# Altium PCB Slave.PcbDoc (part 4 of 12)
Units mm, origin at the board's own origin, x right, y up, seen from the top; angles counter-clockwise.
Board outline 380 x 63 mm, 4 copper layers (Top Copper, Signal Layer 1, Signal Layer 2, Bottom Copper), stack 1.586 mm thick; 265 components, 193 nets, 745 pads, 28205 vias.
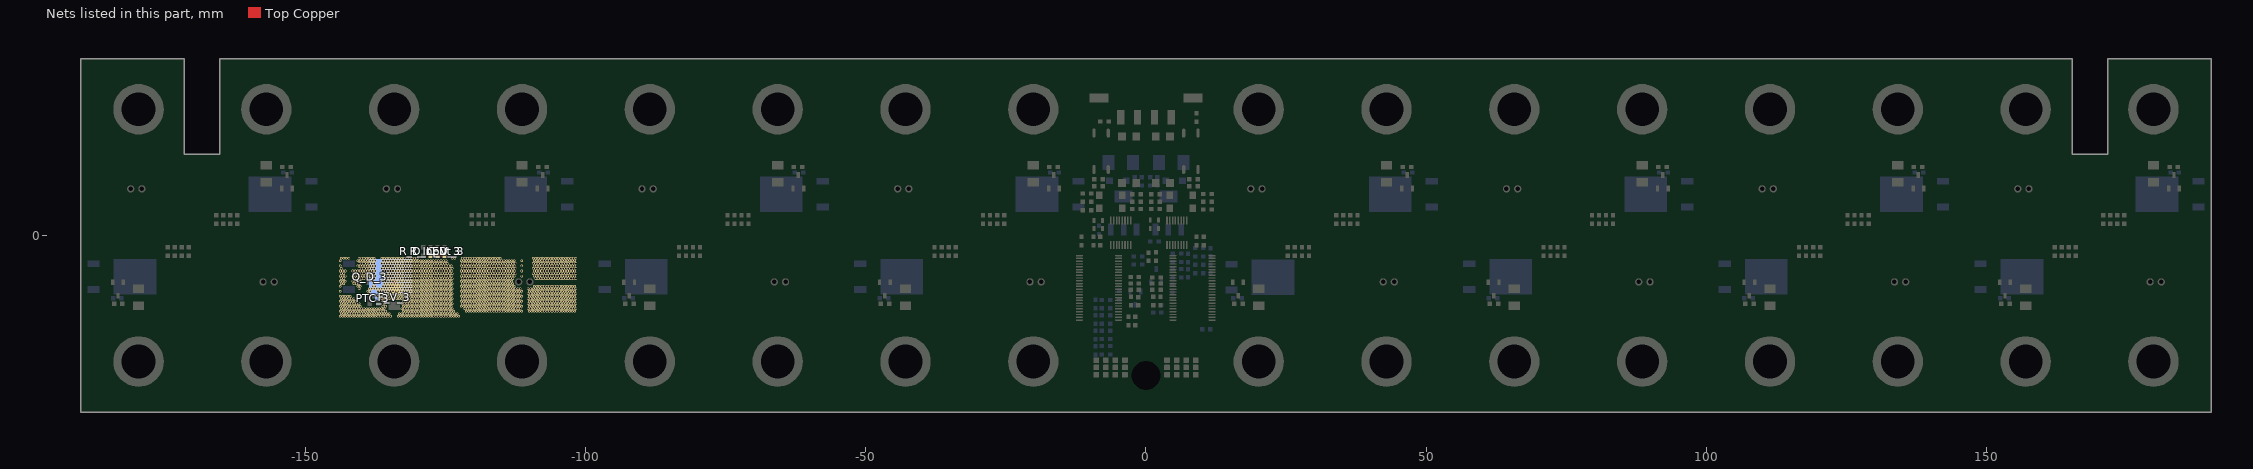
[diagram p6: the nets of this part, all layers, seen from the top]

## Via types
v1: diameter 0.45, hole 0.297, Top Copper to Bottom Copper, tented both sides, 27372 vias
v2: diameter 1, hole 0.7, Top Copper to Bottom Copper, 576 vias
v3: diameter 0.45, hole 0.2, Top Copper to Bottom Copper, 257 vias

## Nets (pads, with @x,y where several pads share a name; then routed paths per layer and width w, separated by ;. In a path a pad name is that pad's centre, name@x,y a point inside that pad or via, vN(x,y) a via of type N, cw(c..) or ccw(c..) an arc to the next point about the centre after c; other vN are vias at no path point) (continued)
F_3: C_V_3.2 F_V_3.2 PTC_3.2 Q_D_3.2 R_D_LED_3.2 R_Input_3.1 | length 3.9
  Top Copper w0.254: R_D_LED_3.2@-127.65,-3.6 R_Input_3.1@-126.4,-3.6 C_V_3.2@-125.15,-3.6
  Top Copper w0.305: F_V_3.2@-134.125,-9.48 v1@-134.125,-8.1
  other v1: -143.75,-14.45 -143.3,-14.45 -142.85,-14.45 -142.4,-14.45 -141.95,-14.45 -141.5,-14.45 -141.05,-14.45 -140.6,-14.45 -140.15,-14.45 -139.7,-14.45 -139.25,-14.45 -138.8,-14.45 -138.35,-14.45 -137.9,-14.45 -137.45,-14.45 -137,-14.45 -136.55,-14.45 -136.1,-14.45 -135.65,-14.45 -135.2,-14.45 -134.75,-14.45 -133.4,-14.45 -132.95,-14.45 -132.5,-14.45 -132.05,-14.45 -131.6,-14.45 -131.15,-14.45 -130.7,-14.45 -130.25,-14.45 -129.8,-14.45 -129.35,-14.45 -128.9,-14.45 -128.45,-14.45 -128,-14.45 -127.55,-14.45 -127.1,-14.45 -126.65,-14.45 -126.2,-14.45 -125.75,-14.45 -125.3,-14.45 -124.85,-14.45 -124.4,-14.45 -123.95,-14.45 -123.5,-14.45 -123.05,-14.45 -122.6,-14.45 -143.525,-14 -143.075,-14 -142.625,-14 -142.175,-14 -141.725,-14 -141.275,-14 -140.825,-14 -140.375,-14 -139.925,-14 -139.475,-14 -139.025,-14 -138.575,-14 -138.125,-14 -137.675,-14 -137.225,-14 -136.775,-14 -136.325,-14 -135.875,-14 -135.425,-14 -134.975,-14 -133.175,-14 -132.725,-14 -132.275,-14 -131.825,-14 -131.375,-14 -130.925,-14 -130.475,-14 -130.025,-14 -129.575,-14 -129.125,-14 -128.675,-14 -128.225,-14 -127.775,-14 -127.325,-14 -126.875,-14 -126.425,-14 -125.975,-14 -125.525,-14 -125.075,-14 -124.625,-14 -124.175,-14 -123.725,-14 -123.275,-14 -122.825,-14 -143.75,-13.55 -143.3,-13.55 -142.85,-13.55 -142.4,-13.55 -141.95,-13.55 -141.5,-13.55 -141.05,-13.55 -140.6,-13.55 -140.15,-13.55 -139.7,-13.55 -139.25,-13.55 -138.8,-13.55 -138.35,-13.55 -137.9,-13.55 -137.45,-13.55 -137,-13.55 -136.55,-13.55 -136.1,-13.55 -135.65,-13.55 -132.5,-13.55 -132.05,-13.55 -131.6,-13.55 -131.15,-13.55 -130.7,-13.55 -130.25,-13.55 -129.8,-13.55 -129.35,-13.55 -128.9,-13.55 -128.45,-13.55 -128,-13.55 -127.55,-13.55 -127.1,-13.55 -126.65,-13.55 -126.2,-13.55 -125.75,-13.55 -125.3,-13.55 -124.85,-13.55 -124.4,-13.55 -123.95,-13.55 -123.5,-13.55 -121.25,-13.55 -120.8,-13.55 -120.35,-13.55 -119.9,-13.55 -119.45,-13.55 -119,-13.55 -118.55,-13.55 -118.1,-13.55 -117.65,-13.55 -117.2,-13.55 -116.75,-13.55 -116.3,-13.55 -115.85,-13.55 -115.4,-13.55 -114.95,-13.55 -114.5,-13.55 -114.05,-13.55 -113.6,-13.55 -113.15,-13.55 -112.7,-13.55 -112.25,-13.55 -111.8,-13.55 -111.35,-13.55 -110,-13.55 -109.55,-13.55 -109.1,-13.55 -108.65,-13.55 -108.2,-13.55 -107.75,-13.55 -107.3,-13.55 -106.85,-13.55 -106.4,-13.55 -105.95,-13.55 -105.5,-13.55 -105.05,-13.55 -104.6,-13.55 -104.15,-13.55 -103.7,-13.55 -103.25,-13.55 -102.8,-13.55 -102.35,-13.55 -101.9,-13.55 -143.525,-13.1 -143.075,-13.1 -142.625,-13.1 -142.175,-13.1 -141.725,-13.1 -141.275,-13.1 -140.825,-13.1 -140.375,-13.1 -139.925,-13.1 -139.475,-13.1 -139.025,-13.1 -138.575,-13.1 -138.125,-13.1 -137.675,-13.1 -137.225,-13.1 -136.775,-13.1 -136.325,-13.1 -135.875,-13.1 -132.725,-13.1 -132.275,-13.1 -131.825,-13.1 -131.375,-13.1 -130.925,-13.1 -130.475,-13.1 -130.025,-13.1 -129.575,-13.1 -129.125,-13.1 -128.675,-13.1 -128.225,-13.1 -127.775,-13.1 -127.325,-13.1 -126.875,-13.1 -126.425,-13.1 -125.975,-13.1 -125.525,-13.1 -125.075,-13.1 -124.625,-13.1 -124.175,-13.1 -123.725,-13.1 -121.475,-13.1 -121.025,-13.1 -120.575,-13.1 -120.125,-13.1 -119.675,-13.1 -119.225,-13.1 -118.775,-13.1 -118.325,-13.1 -117.875,-13.1 -117.425,-13.1 -116.975,-13.1 -116.525,-13.1 -116.075,-13.1 -115.625,-13.1 -115.175,-13.1 -114.725,-13.1 -114.275,-13.1 -113.825,-13.1 -113.375,-13.1 -112.925,-13.1 -112.475,-13.1 -112.025,-13.1 -111.575,-13.1 -110.225,-13.1 -109.775,-13.1 -109.325,-13.1 -108.875,-13.1 -108.425,-13.1 -107.975,-13.1 -107.525,-13.1 -107.075,-13.1 -106.625,-13.1 -106.175,-13.1 -105.725,-13.1 -105.275,-13.1 -104.825,-13.1 -104.375,-13.1 -103.925,-13.1 -103.475,-13.1 -103.025,-13.1 -102.575,-13.1 -102.125,-13.1 -101.675,-13.1 -143.75,-12.65 -143.3,-12.65 -142.85,-12.65 -142.4,-12.65 -141.95,-12.65 -141.5,-12.65 -141.05,-12.65 -140.6,-12.65 -140.15,-12.65 -136.1,-12.65 -135.65,-12.65 -132.5,-12.65 -132.05,-12.65 -131.6,-12.65 -131.15,-12.65 -130.7,-12.65 -130.25,-12.65 -129.8,-12.65 -129.35,-12.65 -128.9,-12.65 -128.45,-12.65 -128,-12.65 -127.55,-12.65 -127.1,-12.65 -126.65,-12.65 -126.2,-12.65 -125.75,-12.65 -125.3,-12.65 -124.85,-12.65 -124.4,-12.65 -123.95,-12.65 -122.15,-12.65 -121.7,-12.65 -121.25,-12.65 -120.8,-12.65 -120.35,-12.65 -119.9,-12.65 -119.45,-12.65 -119,-12.65 -118.55,-12.65 -118.1,-12.65 -117.65,-12.65 -117.2,-12.65 -116.75,-12.65 -116.3,-12.65 -115.85,-12.65 -115.4,-12.65 -114.95,-12.65 -114.5,-12.65 -114.05,-12.65 -113.6,-12.65 -113.15,-12.65 -112.7,-12.65 -112.25,-12.65 -111.8,-12.65 -111.35,-12.65 -110,-12.65 -109.55,-12.65 -109.1,-12.65 -108.65,-12.65 -108.2,-12.65 -107.75,-12.65 -107.3,-12.65 -106.85,-12.65 -106.4,-12.65 -105.95,-12.65 -105.5,-12.65 -105.05,-12.65 -104.6,-12.65 -104.15,-12.65 -103.7,-12.65 -103.25,-12.65 -102.8,-12.65 -102.35,-12.65 -101.9,-12.65 -143.525,-12.2 -143.075,-12.2 -142.625,-12.2 -142.175,-12.2 -141.725,-12.2 -141.275,-12.2 -140.825,-12.2 -140.375,-12.2 -135.875,-12.2 -132.725,-12.2 -132.275,-12.2 -131.825,-12.2 -131.375,-12.2 -130.925,-12.2 -130.475,-12.2 -130.025,-12.2 -129.575,-12.2 -129.125,-12.2 -128.675,-12.2 -128.225,-12.2 -127.775,-12.2 -127.325,-12.2 -126.875,-12.2 -126.425,-12.2 -125.975,-12.2 -125.525,-12.2 -125.075,-12.2 -124.625,-12.2 -124.175,-12.2 -123.725,-12.2 -121.925,-12.2 -121.475,-12.2 -121.025,-12.2 -120.575,-12.2 -120.125,-12.2 -119.675,-12.2 -119.225,-12.2 -118.775,-12.2 -118.325,-12.2 -117.875,-12.2 -117.425,-12.2 -116.975,-12.2 -116.525,-12.2 -116.075,-12.2 -115.625,-12.2 -115.175,-12.2 -114.725,-12.2 -114.275,-12.2 -113.825,-12.2 -113.375,-12.2 -112.925,-12.2 -112.475,-12.2 -112.025,-12.2 -111.575,-12.2 -110.225,-12.2 -109.775,-12.2 -109.325,-12.2 -108.875,-12.2 -108.425,-12.2 -107.975,-12.2 -107.525,-12.2 -107.075,-12.2 -106.625,-12.2 -106.175,-12.2 -105.725,-12.2 -105.275,-12.2 -104.825,-12.2 -104.375,-12.2 -103.925,-12.2 -103.475,-12.2 -103.025,-12.2 -102.575,-12.2 -102.125,-12.2 -101.675,-12.2 -143.75,-11.75 -143.3,-11.75 -142.85,-11.75 -142.4,-11.75 -141.95,-11.75 -141.5,-11.75 -141.05,-11.75 -136.1,-11.75 -135.65,-11.75 -132.5,-11.75 -132.05,-11.75 -131.6,-11.75 -131.15,-11.75 -130.7,-11.75 -130.25,-11.75 -129.8,-11.75 -129.35,-11.75 -128.9,-11.75 -128.45,-11.75 -128,-11.75 -127.55,-11.75 -127.1,-11.75 -126.65,-11.75 -126.2,-11.75 -125.75,-11.75 -125.3,-11.75 -124.85,-11.75 -124.4,-11.75 -123.95,-11.75 -122.15,-11.75 -121.7,-11.75 -121.25,-11.75 -120.8,-11.75 -120.35,-11.75 -119.9,-11.75 -119.45,-11.75 -119,-11.75 -118.55,-11.75 -118.1,-11.75 -117.65,-11.75 -117.2,-11.75 -116.75,-11.75 -116.3,-11.75 -115.85,-11.75 -115.4,-11.75 -114.95,-11.75 -114.5,-11.75 -114.05,-11.75 -113.6,-11.75 -113.15,-11.75 -112.7,-11.75 -112.25,-11.75 -111.8,-11.75 -111.35,-11.75 -110,-11.75 -109.55,-11.75 -109.1,-11.75 -108.65,-11.75 -108.2,-11.75 -107.75,-11.75 -107.3,-11.75 -106.85,-11.75 -106.4,-11.75 -105.95,-11.75 -105.5,-11.75 -105.05,-11.75 -104.6,-11.75 -104.15,-11.75 -103.7,-11.75 -103.25,-11.75 -102.8,-11.75 -102.35,-11.75 -101.9,-11.75 -143.525,-11.3 -143.075,-11.3 -142.625,-11.3 -142.175,-11.3 -141.725,-11.3 -141.275,-11.3 -136.775,-11.3 -136.325,-11.3 -135.875,-11.3 -135.425,-11.3 -134.975,-11.3 -134.525,-11.3 -134.075,-11.3 -133.625,-11.3 -133.175,-11.3 -132.725,-11.3 -132.275,-11.3 -131.825,-11.3 -131.375,-11.3 -130.925,-11.3 -130.475,-11.3 -130.025,-11.3 -129.575,-11.3 -129.125,-11.3 -128.675,-11.3 -128.225,-11.3 -127.775,-11.3 -127.325,-11.3 -126.875,-11.3 -126.425,-11.3 -125.975,-11.3 -125.525,-11.3 -125.075,-11.3 -124.625,-11.3 -124.175,-11.3 -123.725,-11.3 -121.925,-11.3 -121.475,-11.3 -121.025,-11.3 -120.575,-11.3 -120.125,-11.3 -119.675,-11.3 -119.225,-11.3 -118.775,-11.3 -118.325,-11.3 -117.875,-11.3 -117.425,-11.3 -116.975,-11.3 -116.525,-11.3 -116.075,-11.3 -115.625,-11.3 -115.175,-11.3 -114.725,-11.3 -114.275,-11.3 -113.825,-11.3 -113.375,-11.3 -112.925,-11.3 -112.475,-11.3 -112.025,-11.3 -111.575,-11.3 -110.225,-11.3 -109.775,-11.3 -109.325,-11.3 -108.875,-11.3 -108.425,-11.3 -107.975,-11.3 -107.525,-11.3 -107.075,-11.3 -106.625,-11.3 -106.175,-11.3 -105.725,-11.3 -105.275,-11.3 -104.825,-11.3 -104.375,-11.3 -103.925,-11.3 -103.475,-11.3 -103.025,-11.3 -102.575,-11.3 -102.125,-11.3 -101.675,-11.3 -143.75,-10.85 -143.3,-10.85 -142.85,-10.85 -142.4,-10.85 -141.95,-10.85 -137,-10.85 -136.55,-10.85 -136.1,-10.85 -135.65,-10.85 -135.2,-10.85 -134.75,-10.85 -134.3,-10.85 -133.85,-10.85 -133.4,-10.85 -132.95,-10.85 -132.5,-10.85 -132.05,-10.85 -131.6,-10.85 -131.15,-10.85 -130.7,-10.85 -130.25,-10.85 -129.8,-10.85 -129.35,-10.85 -128.9,-10.85 -128.45,-10.85 -128,-10.85 -127.55,-10.85 -127.1,-10.85 -126.65,-10.85 -126.2,-10.85 -125.75,-10.85 -125.3,-10.85 -124.85,-10.85 -124.4,-10.85 -123.95,-10.85 -122.15,-10.85 -121.7,-10.85 -121.25,-10.85 -120.8,-10.85 -120.35,-10.85 -119.9,-10.85 -119.45,-10.85 -119,-10.85 -118.55,-10.85 -118.1,-10.85 -117.65,-10.85 -117.2,-10.85 -116.75,-10.85 -116.3,-10.85 -115.85,-10.85 -115.4,-10.85 -114.95,-10.85 -114.5,-10.85 -114.05,-10.85 -113.6,-10.85 -113.15,-10.85 -112.7,-10.85 -112.25,-10.85 -111.8,-10.85 -111.35,-10.85 -110,-10.85 -109.55,-10.85 -109.1,-10.85 -108.65,-10.85 -108.2,-10.85 -107.75,-10.85 -107.3,-10.85 -106.85,-10.85 -106.4,-10.85 -105.95,-10.85 -105.5,-10.85 -105.05,-10.85 -104.6,-10.85 -104.15,-10.85 -103.7,-10.85 -103.25,-10.85 -102.8,-10.85 -102.35,-10.85 -101.9,-10.85 -138.575,-10.4 -136.775,-10.4 -136.325,-10.4 -135.875,-10.4 -135.425,-10.4 -134.975,-10.4 -134.525,-10.4 -134.075,-10.4 -133.625,-10.4 -133.175,-10.4 -132.725,-10.4 -132.275,-10.4 -131.825,-10.4 -131.375,-10.4 -130.925,-10.4 -130.475,-10.4 -130.025,-10.4 -129.575,-10.4 -129.125,-10.4 -128.675,-10.4 -128.225,-10.4 -127.775,-10.4 -127.325,-10.4 -126.875,-10.4 -126.425,-10.4 -125.975,-10.4 -125.525,-10.4 -125.075,-10.4 -124.625,-10.4 -124.175,-10.4 -123.725,-10.4 -121.925,-10.4 -121.475,-10.4 -121.025,-10.4 -120.575,-10.4 -120.125,-10.4 -119.675,-10.4 -119.225,-10.4 -118.775,-10.4 -118.325,-10.4 -117.875,-10.4 -117.425,-10.4 -116.975,-10.4 -116.525,-10.4 -116.075,-10.4 -115.625,-10.4 -115.175,-10.4 -114.725,-10.4 -114.275,-10.4 -113.825,-10.4 -113.375,-10.4 -112.925,-10.4 -112.475,-10.4 -112.025,-10.4 -111.575,-10.4 -110.225,-10.4 -109.775,-10.4 -109.325,-10.4 -108.875,-10.4 -108.425,-10.4 -107.975,-10.4 -107.525,-10.4 -107.075,-10.4 -106.625,-10.4 -106.175,-10.4 -105.725,-10.4 -105.275,-10.4 -104.825,-10.4 -104.375,-10.4 -103.925,-10.4 -103.475,-10.4 -103.025,-10.4 -102.575,-10.4 -102.125,-10.4 -101.675,-10.4 -143.75,-9.95 -138.8,-9.95 -138.35,-9.95 -137,-9.95 -136.55,-9.95 -136.1,-9.95 -135.65,-9.95 -135.2,-9.95 -134.75,-9.95 -134.3,-9.95 -133.85,-9.95 -133.4,-9.95 -132.95,-9.95 -132.5,-9.95 -132.05,-9.95 -131.6,-9.95 -131.15,-9.95 -130.7,-9.95 -130.25,-9.95 -129.8,-9.95 -129.35,-9.95 -128.9,-9.95 -128.45,-9.95 -128,-9.95 -127.55,-9.95 -127.1,-9.95 -126.65,-9.95 -126.2,-9.95 -125.75,-9.95 -125.3,-9.95 -124.85,-9.95 -124.4,-9.95 -123.95,-9.95 -122.15,-9.95 -121.7,-9.95 -121.25,-9.95 -120.8,-9.95 -120.35,-9.95 -119.9,-9.95 -119.45,-9.95 -119,-9.95 -118.55,-9.95 -118.1,-9.95 -117.65,-9.95 -117.2,-9.95 -116.75,-9.95 -116.3,-9.95 -115.85,-9.95 -115.4,-9.95 -114.95,-9.95 -114.5,-9.95 -114.05,-9.95 -113.6,-9.95 -113.15,-9.95 -112.7,-9.95 -112.25,-9.95 -111.8,-9.95 -111.35,-9.95 -110,-9.95 -109.55,-9.95 -109.1,-9.95 -108.65,-9.95 -108.2,-9.95 -107.75,-9.95 -107.3,-9.95 -106.85,-9.95 -106.4,-9.95 -105.95,-9.95 -105.5,-9.95 -105.05,-9.95 -104.6,-9.95 -104.15,-9.95 -103.7,-9.95 -103.25,-9.95 -102.8,-9.95 -102.35,-9.95 -101.9,-9.95 -140.375,-9.5 -138.575,-9.5 -138.125,-9.5 -137.675,-9.5 -137.225,-9.5 -136.775,-9.5 -136.325,-9.5 -135.875,-9.5 -135.425,-9.5 -134.975,-9.5 -134.525,-9.5 -134.075,-9.5 -133.625,-9.5 -133.175,-9.5 -132.725,-9.5 -132.275,-9.5 -131.825,-9.5 -131.375,-9.5 -130.925,-9.5 -130.475,-9.5 -130.025,-9.5 -129.575,-9.5 -129.125,-9.5 -128.675,-9.5 -128.225,-9.5 -127.775,-9.5 -127.325,-9.5 -126.875,-9.5 -126.425,-9.5 -125.975,-9.5 -125.525,-9.5 -125.075,-9.5 -124.625,-9.5 -124.175,-9.5 -123.725,-9.5 -121.925,-9.5 -121.475,-9.5 -121.025,-9.5 -120.575,-9.5 -120.125,-9.5 -119.675,-9.5 -119.225,-9.5 -118.775,-9.5 -118.325,-9.5 -117.875,-9.5 -117.425,-9.5 -116.975,-9.5 -116.525,-9.5 -116.075,-9.5 -115.625,-9.5 -115.175,-9.5 -114.725,-9.5 -114.275,-9.5 -113.825,-9.5 -113.375,-9.5 -112.925,-9.5 -112.475,-9.5 -112.025,-9.5 -111.575,-9.5 -110.225,-9.5 -109.775,-9.5 -109.325,-9.5 -108.875,-9.5 -108.425,-9.5 -107.975,-9.5 -107.525,-9.5 -107.075,-9.5 -106.625,-9.5 -106.175,-9.5 -105.725,-9.5 -105.275,-9.5 -104.825,-9.5 -104.375,-9.5 -103.925,-9.5 -103.475,-9.5 -103.025,-9.5 -102.575,-9.5 -102.125,-9.5 -101.675,-9.5 -143.75,-9.05 -140.6,-9.05 -140.15,-9.05 -137.9,-9.05 -137.45,-9.05 -136.1,-9.05 -135.65,-9.05 -135.2,-9.05 -134.75,-9.05 -134.3,-9.05 -133.85,-9.05 -133.4,-9.05 -132.95,-9.05 -132.5,-9.05 -132.05,-9.05 -131.6,-9.05 -131.15,-9.05 -130.7,-9.05 -130.25,-9.05 -129.8,-9.05 -129.35,-9.05 -128.9,-9.05 -128.45,-9.05 -128,-9.05 -127.55,-9.05 -127.1,-9.05 -126.65,-9.05 -126.2,-9.05 -125.75,-9.05 -125.3,-9.05 -124.85,-9.05 -124.4,-9.05 -123.95,-9.05 -122.15,-9.05 -121.7,-9.05 -121.25,-9.05 -120.8,-9.05 -120.35,-9.05 -119.9,-9.05 -119.45,-9.05 -119,-9.05 -118.55,-9.05 -118.1,-9.05 -117.65,-9.05 -117.2,-9.05 -116.75,-9.05 -116.3,-9.05 -115.85,-9.05 -115.4,-9.05 -114.95,-9.05 -114.5,-9.05 -114.05,-9.05 -113.6,-9.05 -113.15,-9.05 -112.7,-9.05 -109.1,-9.05 -108.65,-9.05 -108.2,-9.05 -107.75,-9.05 -107.3,-9.05 -106.85,-9.05 -106.4,-9.05 -105.95,-9.05 -105.5,-9.05 -105.05,-9.05 -104.6,-9.05 -104.15,-9.05 -103.7,-9.05 -103.25,-9.05 -102.8,-9.05 -102.35,-9.05 -101.9,-9.05 -143.525,-8.6 -143.075,-8.6 -141.275,-8.6 -140.825,-8.6 -140.375,-8.6 -137.675,-8.6 -135.875,-8.6 -135.425,-8.6 -134.975,-8.6 -134.525,-8.6 -134.075,-8.6 -133.625,-8.6 -133.175,-8.6 -132.725,-8.6 -132.275,-8.6 -131.825,-8.6 -131.375,-8.6 -130.925,-8.6 -130.475,-8.6 -130.025,-8.6 -129.575,-8.6 -129.125,-8.6 -128.675,-8.6 -128.225,-8.6 -127.775,-8.6 -127.325,-8.6 -126.875,-8.6 -126.425,-8.6 -125.975,-8.6 -125.525,-8.6 -125.075,-8.6 -124.625,-8.6 -124.175,-8.6 -123.725,-8.6 -121.925,-8.6 -121.475,-8.6 -121.025,-8.6 -120.575,-8.6 -120.125,-8.6 -119.675,-8.6 -119.225,-8.6 -118.775,-8.6 -118.325,-8.6 -117.875,-8.6 -117.425,-8.6 -116.975,-8.6 -116.525,-8.6 -116.075,-8.6 -115.625,-8.6 -115.175,-8.6 -114.725,-8.6 -114.275,-8.6 -113.825,-8.6 -113.375,-8.6 -112.925,-8.6 -143.75,-8.15 -143.3,-8.15 -142.85,-8.15 -141.5,-8.15 -141.05,-8.15 -140.6,-8.15 -140.15,-8.15 -137.9,-8.15 -136.1,-8.15 -135.65,-8.15 -135.2,-8.15 -134.75,-8.15 -134.3,-8.15 -133.85,-8.15 -133.4,-8.15 -132.95,-8.15 -132.5,-8.15 -132.05,-8.15 -131.6,-8.15 -131.15,-8.15 -130.7,-8.15 -130.25,-8.15 -129.8,-8.15 -129.35,-8.15 -128.9,-8.15 -128.45,-8.15 -128,-8.15 -127.55,-8.15 -127.1,-8.15 -126.65,-8.15 -126.2,-8.15 -125.75,-8.15 -125.3,-8.15 -124.85,-8.15 -124.4,-8.15 -123.95,-8.15 -122.15,-8.15 -121.7,-8.15 -121.25,-8.15 -120.8,-8.15 -120.35,-8.15 -119.9,-8.15 -119.45,-8.15 -119,-8.15 -118.55,-8.15 -118.1,-8.15 -117.65,-8.15 -117.2,-8.15 -116.75,-8.15 -116.3,-8.15 -115.85,-8.15 -115.4,-8.15 -114.95,-8.15 -114.5,-8.15 -114.05,-8.15 -113.6,-8.15 -113.15,-8.15 -143.525,-7.7 -143.075,-7.7 -141.275,-7.7 -140.825,-7.7 -140.375,-7.7 -139.925,-7.7 -139.475,-7.7 -137.675,-7.7 -135.875,-7.7 -135.425,-7.7 -134.975,-7.7 -134.525,-7.7 -134.075,-7.7 -133.625,-7.7 -133.175,-7.7 -132.725,-7.7 -132.275,-7.7 -131.825,-7.7 -131.375,-7.7 -130.925,-7.7 -130.475,-7.7 -130.025,-7.7 -129.575,-7.7 -129.125,-7.7 -128.675,-7.7 -128.225,-7.7 -127.775,-7.7 -127.325,-7.7 -126.875,-7.7 -126.425,-7.7 -125.975,-7.7 -125.525,-7.7 -125.075,-7.7 -124.625,-7.7 -124.175,-7.7 -123.725,-7.7 -121.925,-7.7 -121.475,-7.7 -121.025,-7.7 -120.575,-7.7 -120.125,-7.7 -119.675,-7.7 -119.225,-7.7 -118.775,-7.7 -118.325,-7.7 -117.875,-7.7 -117.425,-7.7 -116.975,-7.7 -116.525,-7.7 -116.075,-7.7 -115.625,-7.7 -115.175,-7.7 -114.725,-7.7 -114.275,-7.7 -113.825,-7.7 -113.375,-7.7 -112.925,-7.7 -108.875,-7.7 -108.425,-7.7 -107.975,-7.7 -107.525,-7.7 -107.075,-7.7 -106.625,-7.7 -106.175,-7.7 -105.725,-7.7 -105.275,-7.7 -104.825,-7.7 -104.375,-7.7 -103.925,-7.7 -103.475,-7.7 -103.025,-7.7 -102.575,-7.7 -102.125,-7.7 -101.675,-7.7 -143.75,-7.25 -143.3,-7.25 -142.85,-7.25 -141.5,-7.25 -141.05,-7.25 -140.6,-7.25 -140.15,-7.25 -139.7,-7.25 -139.25,-7.25 -138.8,-7.25 -138.35,-7.25 -137.9,-7.25 -137.45,-7.25 -136.1,-7.25 -135.65,-7.25 -135.2,-7.25 -134.75,-7.25 -134.3,-7.25 -133.85,-7.25 -133.4,-7.25 -132.95,-7.25 -132.5,-7.25 -132.05,-7.25 -131.6,-7.25 -131.15,-7.25 -130.7,-7.25 -130.25,-7.25 -129.8,-7.25 -129.35,-7.25 -128.9,-7.25 -128.45,-7.25 -128,-7.25 -127.55,-7.25 -127.1,-7.25 -126.65,-7.25 -126.2,-7.25 -125.75,-7.25 -125.3,-7.25 -124.85,-7.25 -124.4,-7.25 -123.95,-7.25 -122.15,-7.25 -121.7,-7.25 -121.25,-7.25 -120.8,-7.25 -120.35,-7.25 -119.9,-7.25 -119.45,-7.25 -119,-7.25 -118.55,-7.25 -118.1,-7.25 -117.65,-7.25 -117.2,-7.25 -116.75,-7.25 -116.3,-7.25 -115.85,-7.25 -115.4,-7.25 -114.95,-7.25 -114.5,-7.25 -114.05,-7.25 -113.6,-7.25 -113.15,-7.25 -112.7,-7.25 -111.35,-7.25 -109.1,-7.25 -108.65,-7.25 -108.2,-7.25 -107.75,-7.25 -107.3,-7.25 -106.85,-7.25 -106.4,-7.25 -105.95,-7.25 -105.5,-7.25 -105.05,-7.25 -104.6,-7.25 -104.15,-7.25 -103.7,-7.25 -103.25,-7.25 -102.8,-7.25 -102.35,-7.25 -101.9,-7.25 -143.525,-6.8 -143.075,-6.8 -141.275,-6.8 -140.825,-6.8 -140.375,-6.8 -139.925,-6.8 -139.475,-6.8 -139.025,-6.8 -138.575,-6.8 -138.125,-6.8 -137.675,-6.8 -136.325,-6.8 -135.875,-6.8 -135.425,-6.8 -134.975,-6.8 -134.525,-6.8 -134.075,-6.8 -133.625,-6.8 -133.175,-6.8 -132.725,-6.8 -132.275,-6.8 -131.825,-6.8 -131.375,-6.8 -130.925,-6.8 -130.475,-6.8 -130.025,-6.8 -129.575,-6.8 -129.125,-6.8 -128.675,-6.8 -128.225,-6.8 -127.775,-6.8 -127.325,-6.8 -126.875,-6.8 -126.425,-6.8 -125.975,-6.8 -125.525,-6.8 -125.075,-6.8 -124.625,-6.8 -124.175,-6.8 -123.725,-6.8 -121.925,-6.8 -121.475,-6.8 -121.025,-6.8 -120.575,-6.8 -120.125,-6.8 -119.675,-6.8 -119.225,-6.8 -118.775,-6.8 -118.325,-6.8 -117.875,-6.8 -117.425,-6.8 -116.975,-6.8 -116.525,-6.8 -116.075,-6.8 -115.625,-6.8 -115.175,-6.8 -114.725,-6.8 -114.275,-6.8 -113.825,-6.8 -113.375,-6.8 -112.925,-6.8 -112.475,-6.8 -109.325,-6.8 -108.875,-6.8 -108.425,-6.8 -107.975,-6.8 -107.525,-6.8 -107.075,-6.8 -106.625,-6.8 -106.175,-6.8 -105.725,-6.8 -105.275,-6.8 -104.825,-6.8 -104.375,-6.8 -103.925,-6.8 -103.475,-6.8 -103.025,-6.8 -102.575,-6.8 -102.125,-6.8 -101.675,-6.8 -143.75,-6.35 -143.3,-6.35 -142.85,-6.35 -141.5,-6.35 -141.05,-6.35 -140.6,-6.35 -140.15,-6.35 -139.7,-6.35 -139.25,-6.35 -138.8,-6.35 -138.35,-6.35 -137.9,-6.35 -137.45,-6.35 -136.1,-6.35 -135.65,-6.35 -135.2,-6.35 -134.75,-6.35 -134.3,-6.35 -133.85,-6.35 -133.4,-6.35 -132.95,-6.35 -132.5,-6.35 -132.05,-6.35 -131.6,-6.35 -131.15,-6.35 -130.7,-6.35 -130.25,-6.35 -129.8,-6.35 -129.35,-6.35 -128.9,-6.35 -128.45,-6.35 -128,-6.35 -127.55,-6.35 -127.1,-6.35 -126.65,-6.35 -126.2,-6.35 -125.75,-6.35 -125.3,-6.35 -124.85,-6.35 -124.4,-6.35 -123.95,-6.35 -122.15,-6.35 -121.7,-6.35 -121.25,-6.35 -120.8,-6.35 -120.35,-6.35 -119.9,-6.35 -119.45,-6.35 -119,-6.35 -118.55,-6.35 -118.1,-6.35 -117.65,-6.35 -117.2,-6.35 -116.75,-6.35 -116.3,-6.35 -115.85,-6.35 -115.4,-6.35 -114.95,-6.35 -114.5,-6.35 -114.05,-6.35 -113.6,-6.35 -113.15,-6.35 -112.7,-6.35 -111.35,-6.35 -109.1,-6.35 -108.65,-6.35 -108.2,-6.35 -107.75,-6.35 -107.3,-6.35 -106.85,-6.35 -106.4,-6.35 -105.95,-6.35 -105.5,-6.35 -105.05,-6.35 -104.6,-6.35 -104.15,-6.35 -103.7,-6.35 -103.25,-6.35 -102.8,-6.35 -102.35,-6.35 -101.9,-6.35 -143.525,-5.9 -140.375,-5.9 -139.925,-5.9 -139.475,-5.9 -139.025,-5.9 -138.575,-5.9 -138.125,-5.9 -137.675,-5.9 -136.325,-5.9 -135.875,-5.9 -135.425,-5.9 -134.975,-5.9 -134.525,-5.9 -134.075,-5.9 -133.625,-5.9 -133.175,-5.9 -132.725,-5.9 -132.275,-5.9 -131.825,-5.9 -131.375,-5.9 -130.925,-5.9 -130.475,-5.9 -130.025,-5.9 -129.575,-5.9 -129.125,-5.9 -128.675,-5.9 -128.225,-5.9 -127.775,-5.9 -127.325,-5.9 -126.875,-5.9 -126.425,-5.9 -125.975,-5.9 -125.525,-5.9 -125.075,-5.9 -124.625,-5.9 -124.175,-5.9 -123.725,-5.9 -121.925,-5.9 -121.475,-5.9 -121.025,-5.9 -120.575,-5.9 -120.125,-5.9 -119.675,-5.9 -119.225,-5.9 -118.775,-5.9 -118.325,-5.9 -117.875,-5.9 -117.425,-5.9 -116.975,-5.9 -116.525,-5.9 -116.075,-5.9 -115.625,-5.9 -115.175,-5.9 -114.725,-5.9 -114.275,-5.9 -113.825,-5.9 -113.375,-5.9 -112.925,-5.9 -112.475,-5.9 -109.325,-5.9 -108.875,-5.9 -108.425,-5.9 -107.975,-5.9 -107.525,-5.9 -107.075,-5.9 -106.625,-5.9 -106.175,-5.9 -105.725,-5.9 -105.275,-5.9 -104.825,-5.9 -104.375,-5.9 -103.925,-5.9 -103.475,-5.9 -103.025,-5.9 -102.575,-5.9 -102.125,-5.9 -101.675,-5.9 -143.75,-5.45 -140.6,-5.45 -140.15,-5.45 -139.7,-5.45 -139.25,-5.45 -138.8,-5.45 -138.35,-5.45 -137.9,-5.45 -137.45,-5.45 -136.1,-5.45 -135.65,-5.45 -135.2,-5.45 -134.75,-5.45 -134.3,-5.45 -133.85,-5.45 -133.4,-5.45 -132.95,-5.45 -132.5,-5.45 -132.05,-5.45 -131.6,-5.45 -131.15,-5.45 -130.7,-5.45 -130.25,-5.45 -129.8,-5.45 -129.35,-5.45 -128.9,-5.45 -128.45,-5.45 -128,-5.45 -127.55,-5.45 -127.1,-5.45 -126.65,-5.45 -126.2,-5.45 -125.75,-5.45 -125.3,-5.45 -124.85,-5.45 -124.4,-5.45 -123.95,-5.45 -122.15,-5.45 -121.7,-5.45 -121.25,-5.45 -120.8,-5.45 -120.35,-5.45 -119.9,-5.45 -119.45,-5.45 -119,-5.45 -118.55,-5.45 -118.1,-5.45 -117.65,-5.45 -117.2,-5.45 -116.75,-5.45 -116.3,-5.45 -115.85,-5.45 -115.4,-5.45 -114.95,-5.45 -114.5,-5.45 -114.05,-5.45 -113.6,-5.45 -113.15,-5.45 -112.7,-5.45 -111.35,-5.45 -109.1,-5.45 -108.65,-5.45 -108.2,-5.45 -107.75,-5.45 -107.3,-5.45 -106.85,-5.45 -106.4,-5.45 -105.95,-5.45 -105.5,-5.45 -105.05,-5.45 -104.6,-5.45 -104.15,-5.45 -103.7,-5.45 -103.25,-5.45 -102.8,-5.45 -102.35,-5.45 -101.9,-5.45 -140.375,-5 -139.925,-5 -139.475,-5 -139.025,-5 -138.575,-5 -138.125,-5 -137.675,-5 -136.325,-5 -135.875,-5 -135.425,-5 -134.975,-5 -134.525,-5 -134.075,-5 -133.625,-5 -133.175,-5 -132.725,-5 -132.275,-5 -131.825,-5 -131.375,-5 -130.925,-5 -130.475,-5 -130.025,-5 -129.575,-5 -129.125,-5 -128.675,-5 -128.225,-5 -127.775,-5 -127.325,-5 -126.875,-5 -126.425,-5 -125.975,-5 -125.525,-5 -125.075,-5 -124.625,-5 -121.925,-5 -121.475,-5 -121.025,-5 -120.575,-5 -120.125,-5 -119.675,-5 -119.225,-5 -118.775,-5 -118.325,-5 -117.875,-5 -117.425,-5 -116.975,-5 -116.525,-5 -116.075,-5 -115.625,-5 -115.175,-5 -114.725,-5 -114.275,-5 -113.825,-5 -113.375,-5 -112.925,-5 -112.475,-5 -109.325,-5 -108.875,-5 -108.425,-5 -107.975,-5 -107.525,-5 -107.075,-5 -106.625,-5 -106.175,-5 -105.725,-5 -105.275,-5 -104.825,-5 -104.375,-5 -103.925,-5 -103.475,-5 -103.025,-5 -102.575,-5 -102.125,-5 -101.675,-5 -143.75,-4.55 -140.6,-4.55 -140.15,-4.55 -139.7,-4.55 -139.25,-4.55 -138.8,-4.55 -138.35,-4.55 -137.9,-4.55 -137.45,-4.55 -136.1,-4.55 -135.65,-4.55 -135.2,-4.55 -134.75,-4.55 -134.3,-4.55 -133.85,-4.55 -133.4,-4.55 -132.95,-4.55 -132.5,-4.55 -132.05,-4.55 -131.6,-4.55 -131.15,-4.55 -130.7,-4.55 -130.25,-4.55 -129.8,-4.55 -129.35,-4.55 -128.9,-4.55 -128.45,-4.55 -128,-4.55 -127.55,-4.55 -127.1,-4.55 -126.65,-4.55 -126.2,-4.55 -125.75,-4.55 -125.3,-4.55 -124.85,-4.55 -122.15,-4.55 -121.7,-4.55 -121.25,-4.55 -120.8,-4.55 -120.35,-4.55 -119.9,-4.55 -119.45,-4.55 -119,-4.55 -118.55,-4.55 -118.1,-4.55 -117.65,-4.55 -117.2,-4.55 -116.75,-4.55 -116.3,-4.55 -115.85,-4.55 -115.4,-4.55 -114.95,-4.55 -114.5,-4.55 -114.05,-4.55 -113.6,-4.55 -113.15,-4.55 -112.7,-4.55 -111.35,-4.55 -109.1,-4.55 -108.65,-4.55 -108.2,-4.55 -107.75,-4.55 -107.3,-4.55 -106.85,-4.55 -106.4,-4.55 -105.95,-4.55 -105.5,-4.55 -105.05,-4.55 -104.6,-4.55 -104.15,-4.55 -103.7,-4.55 -103.25,-4.55 -102.8,-4.55 -102.35,-4.55 -101.9,-4.55 -143.525,-4.1 -143.075,-4.1 -142.625,-4.1 -142.175,-4.1 -140.375,-4.1 -139.925,-4.1 -139.475,-4.1 -139.025,-4.1 -138.575,-4.1 -138.125,-4.1 -137.675,-4.1 -136.325,-4.1 -135.875,-4.1 -135.425,-4.1 -134.975,-4.1 -134.525,-4.1 -134.075,-4.1 -133.625,-4.1 -133.175,-4.1 -132.725,-4.1 -132.275,-4.1 -131.825,-4.1 -131.375,-4.1 -130.925,-4.1 -130.475,-4.1 -130.025,-4.1 -123.725,-4.1 -123.275,-4.1 -121.925,-4.1 -121.475,-4.1 -121.025,-4.1 -120.575,-4.1 -120.125,-4.1 -119.675,-4.1 -119.225,-4.1 -118.775,-4.1 -118.325,-4.1 -117.875,-4.1 -117.425,-4.1 -116.975,-4.1 -116.525,-4.1 -116.075,-4.1 -115.625,-4.1 -115.175,-4.1 -109.325,-4.1 -108.875,-4.1 -108.425,-4.1 -107.975,-4.1 -107.525,-4.1 -107.075,-4.1 -106.625,-4.1 -106.175,-4.1 -105.725,-4.1 -105.275,-4.1 -104.825,-4.1 -104.375,-4.1 -103.925,-4.1 -103.475,-4.1 -103.025,-4.1 -102.575,-4.1 -102.125,-4.1 -101.675,-4.1